# KiCad board ips20.kicad_pcb
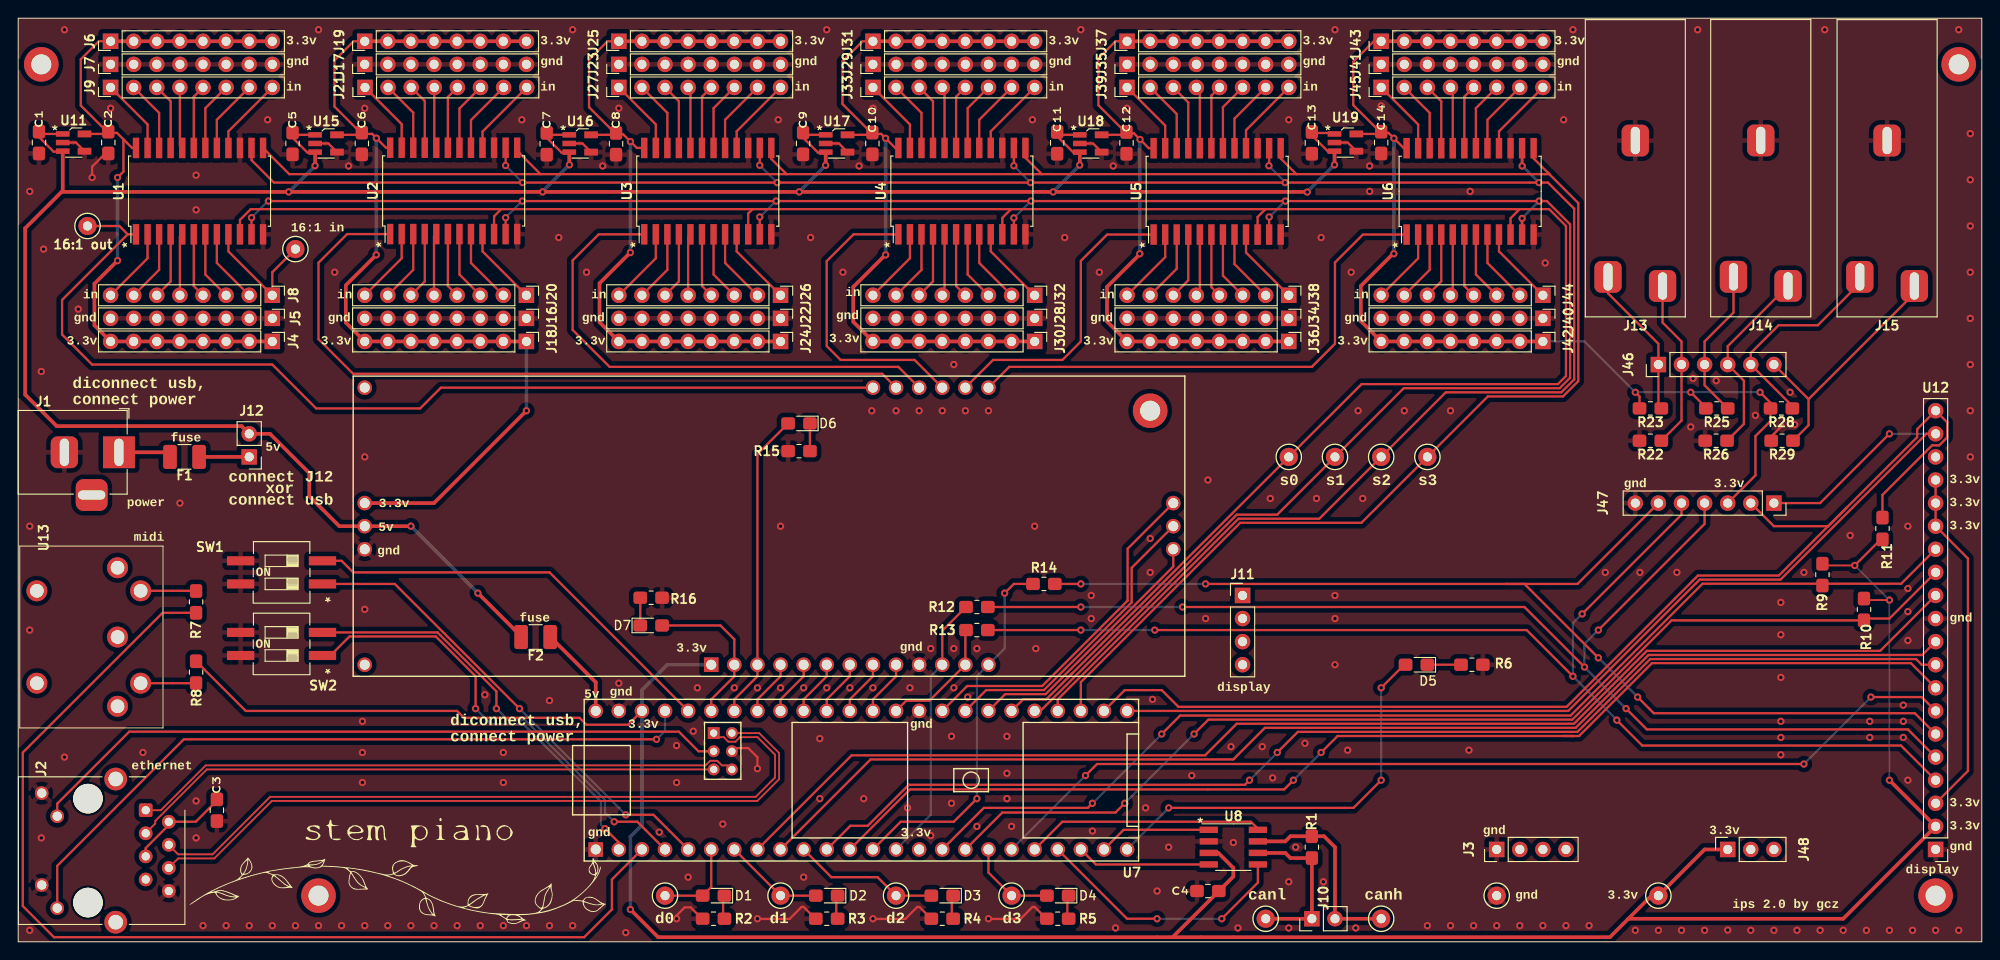
[diagram p0: board, top side]
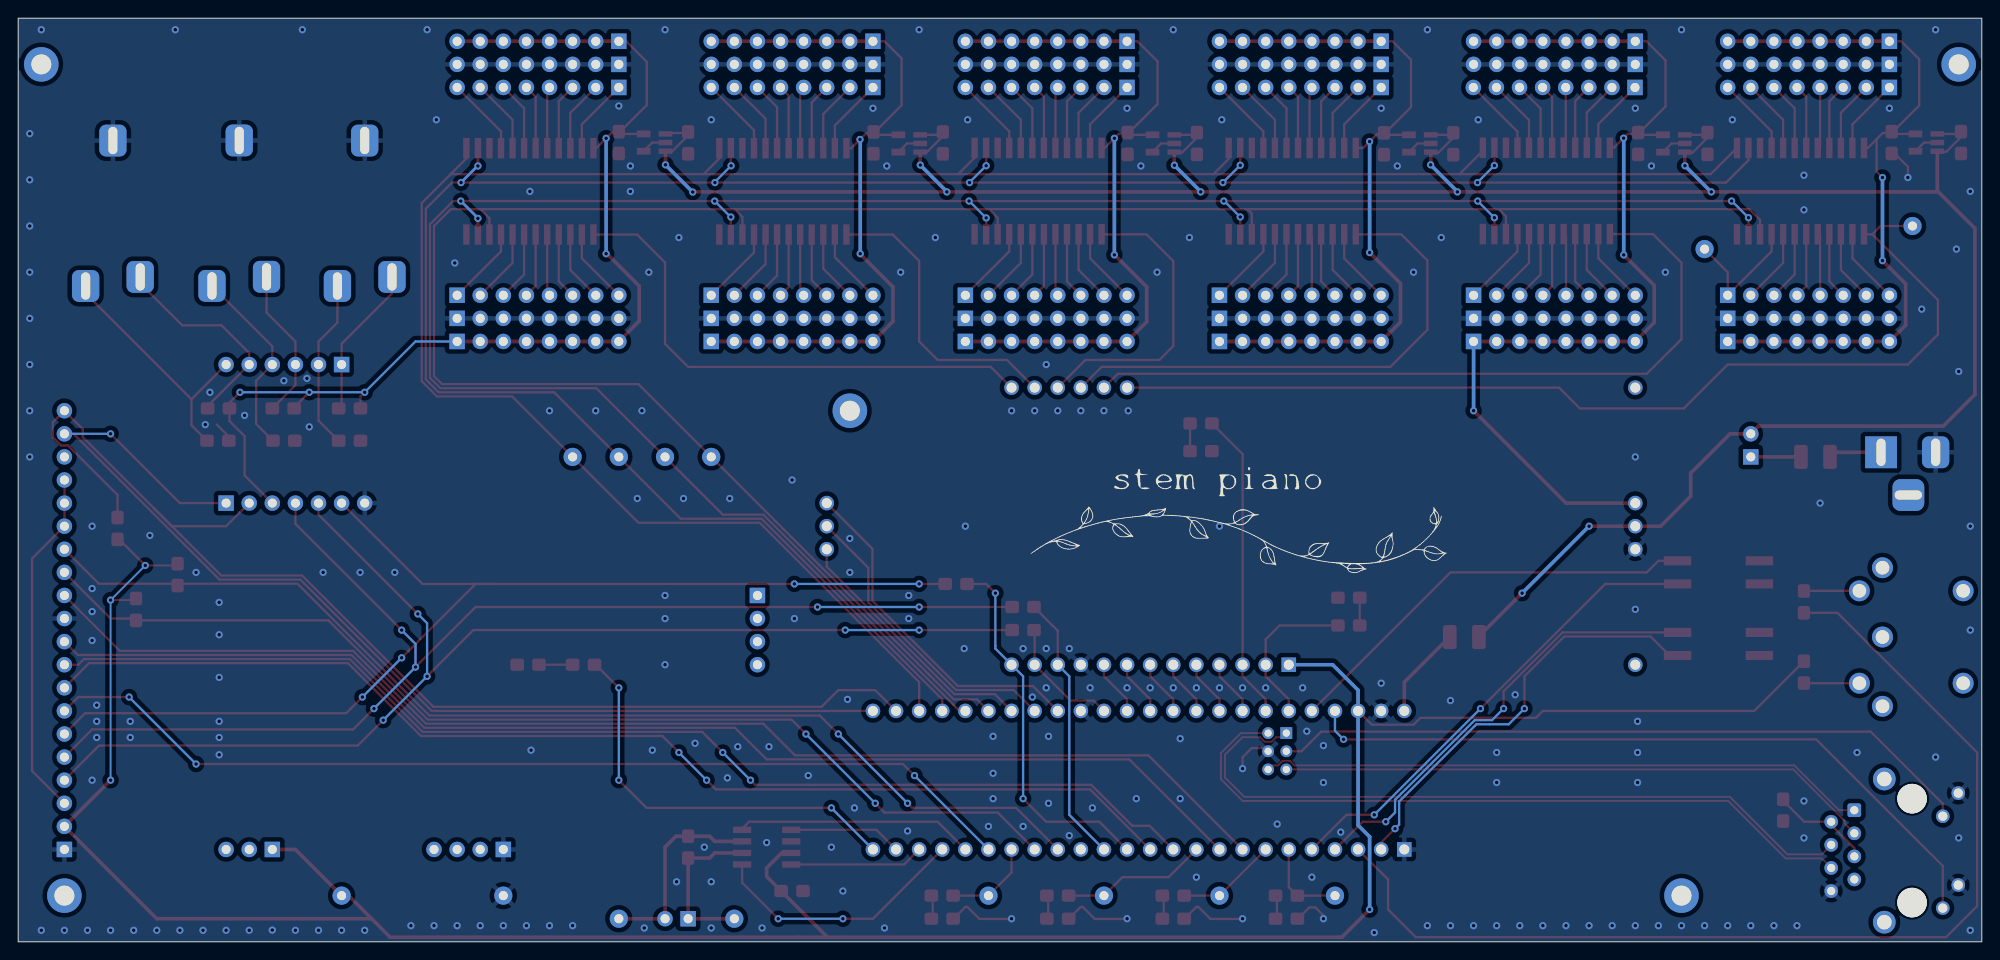
[diagram p1: board, bottom side, seen from below]

Outline 215.9 x 101.6 mm; copper layers: Top, Bottom. Coordinates in mm from the lower left corner of the outline.
Outline path: rectangle 0,101.6 215.9,0
Stack: Top 0.035mm / dielectric 1.51mm FR4 er 4.5 / Bottom 0.035mm

## Placement (name value [footprint] x y rotation side)
C1  1uF  [C_0805_2012_1.18x1.45mm_medpad]  2.29 87.92 270 top
C2  1uF  [C_0805_2012_1.18x1.45mm_medpad]  9.91 87.92 270 top
C3  0.1uF  [C_0805_2012_1.18x1.45mm_medpad]  21.84 14.48 270 top
C4  1uF  [C_0805_2012_1.18x1.45mm_medpad]  130.81 5.59 180 top
C5  1uF  [C_0805_2012_1.18x1.45mm_medpad]  30.16 87.82 270 top
C6  1uF  [C_0805_2012_1.18x1.45mm_medpad]  37.78 87.82 270 top
C7  1uF  [C_0805_2012_1.18x1.45mm_medpad]  58.11 87.79 270 top
C8  1uF  [C_0805_2012_1.18x1.45mm_medpad]  65.73 87.79 270 top
C9  1uF  [C_0805_2012_1.18x1.45mm_medpad]  86.3 87.82 270 top
C10  1uF  [C_0805_2012_1.18x1.45mm_medpad]  93.92 87.82 270 top
C11  1uF  [C_0805_2012_1.18x1.45mm_medpad]  114.24 87.88 270 top
C12  1uF  [C_0805_2012_1.18x1.45mm_medpad]  121.86 87.88 270 top
C13  1uF  [C_0805_2012_1.18x1.45mm_medpad]  142.24 87.88 270 top
C14  1uF  [C_0805_2012_1.18x1.45mm_medpad]  149.86 87.92 270 top
D1  LED  [LED_0805_2012_1.18x1.45mm_medpad2]  76.45 5.08 180 top
D2  LED  [LED_0805_2012_1.18x1.45mm_medpad2]  88.9 5.08 180 top
D3  LED  [LED_0805_2012_1.18x1.45mm_medpad2]  101.6 5.08 180 top
D4  LED  [LED_0805_2012_1.18x1.45mm_medpad2]  114.3 5.08 180 top
D5  LED  [LED_0805_2012_1.18x1.45mm_medpad2]  153.74 30.48 180 top
D6  LED  [LED_0805_2012_1.18x1.45mm_medpad2]  85.85 57.02 180 top
D7  LED  [LED_0805_2012_1.18x1.45mm_medpad2]  69.6 34.8 0 top
F1  Fuse  [fp1210_3225_1.30x2.65mm_medpad]  18.29 53.34 0 top
F2  Fuse  [fp1210_3225_1.30x2.65mm_medpad]  56.9 33.53 0 top
G***  LOGO  [stem_name_1inch]  43.18 11.94 0 top
G***#2  LOGO  [stem_branch_2inch]  41.4 5.59 0 top
G***#3  LOGO  [stem_name_1inch]  83.82 50.55 180 bottom
G***#4  LOGO  [stem_branch_2inch]  82.04 44.2 180 bottom
H1  MountingHole  [MountingHole_2.2mm_M2_DIN965_Pad_TopBottom]  2.54 96.52 0 top
H2  MountingHole  [MountingHole_2.2mm_M2_DIN965_Pad_TopBottom]  33.02 5.08 0 top
H3  MountingHole  [MountingHole_2.2mm_M2_DIN965_Pad_TopBottom]  210.82 5.08 0 top
H4  MountingHole  [MountingHole_2.2mm_M2_DIN965_Pad_TopBottom]  213.36 96.52 0 top
H5  MountingHole  [MountingHole_2.2mm_M2_DIN965_Pad_TopBottom]  124.46 58.42 0 top
J1  BarrelJack5V  [BarrelJack_Horizontal_correct_edge]  11.08 53.85 0 top
J2  Cetus_J1B1211CCD  [RJ45_Cetus_J1B1211CCD_correct_edge]  14.02 14.48 270 top
J3  Conn_01x04_Pin  [PinHeader_1x04_P2.54mm_Vertical]  162.56 10.16 90 top
J4  Conn_01x08_Pin  [PinHeader_1x08_P2.54mm_Vertical_smallcourtyard]  27.94 66.04 270 top
J5  Conn_01x08_Pin  [PinHeader_1x08_P2.54mm_Vertical_smallcourtyard]  27.94 68.58 270 top
J6  Conn_01x08_Pin  [PinHeader_1x08_P2.54mm_Vertical_smallcourtyard]  10.16 99.06 90 top
J7  Conn_01x08_Pin  [PinHeader_1x08_P2.54mm_Vertical_smallcourtyard]  10.16 96.52 90 top
J8  Conn_01x08_Pin  [PinHeader_1x08_P2.54mm_Vertical_smallcourtyard]  27.94 71.12 270 top
J9  Conn_01x08_Pin  [PinHeader_1x08_P2.54mm_Vertical_smallcourtyard]  10.16 93.98 90 top
J10  Conn_01x02_Pin  [PinHeader_1x02_P2.54mm_Vertical]  142.24 2.54 90 top
J11  Conn_01x04_Pin  [PinHeader_1x04_P2.54mm_Vertical]  134.62 38.1 0 top
J12  Conn_01x02_Power  [PinHeader_1x02_P2.54mm_Vertical]  25.4 53.34 180 top
J13  AudioJack2_SwitchT  [uxcell_audio_quarter_inch]  177.8 88.14 0 top
J14  AudioJack2_SwitchT  [uxcell_audio_quarter_inch]  191.59 88.15 0 top
J15  AudioJack2_SwitchT  [uxcell_audio_quarter_inch]  205.49 88.14 0 top
J16  Conn_01x08_Pin  [PinHeader_1x08_P2.54mm_Vertical_smallcourtyard]  55.88 68.58 270 top
J17  Conn_01x08_Pin  [PinHeader_1x08_P2.54mm_Vertical_smallcourtyard]  38.1 96.52 90 top
J18  Conn_01x08_Pin  [PinHeader_1x08_P2.54mm_Vertical_smallcourtyard]  55.88 66.04 270 top
J19  Conn_01x08_Pin  [PinHeader_1x08_P2.54mm_Vertical_smallcourtyard]  38.1 99.06 90 top
J20  Conn_01x08_Pin  [PinHeader_1x08_P2.54mm_Vertical_smallcourtyard]  55.88 71.12 270 top
J21  Conn_01x08_Pin  [PinHeader_1x08_P2.54mm_Vertical_smallcourtyard]  38.13 93.98 90 top
J22  Conn_01x08_Pin  [PinHeader_1x08_P2.54mm_Vertical_smallcourtyard]  83.82 68.58 270 top
J23  Conn_01x08_Pin  [PinHeader_1x08_P2.54mm_Vertical_smallcourtyard]  66.04 96.52 90 top
J24  Conn_01x08_Pin  [PinHeader_1x08_P2.54mm_Vertical_smallcourtyard]  83.82 66.04 270 top
J25  Conn_01x08_Pin  [PinHeader_1x08_P2.54mm_Vertical_smallcourtyard]  66.04 99.06 90 top
J26  Conn_01x08_Pin  [PinHeader_1x08_P2.54mm_Vertical_smallcourtyard]  83.82 71.12 270 top
J27  Conn_01x08_Pin  [PinHeader_1x08_P2.54mm_Vertical_smallcourtyard]  66.04 93.98 90 top
J28  Conn_01x08_Pin  [PinHeader_1x08_P2.54mm_Vertical_smallcourtyard]  111.76 68.58 270 top
J29  Conn_01x08_Pin  [PinHeader_1x08_P2.54mm_Vertical_smallcourtyard]  93.98 96.52 90 top
J30  Conn_01x08_Pin  [PinHeader_1x08_P2.54mm_Vertical_smallcourtyard]  111.76 66.04 270 top
J31  Conn_01x08_Pin  [PinHeader_1x08_P2.54mm_Vertical_smallcourtyard]  93.98 99.06 90 top
J32  Conn_01x08_Pin  [PinHeader_1x08_P2.54mm_Vertical_smallcourtyard]  111.76 71.12 270 top
J33  Conn_01x08_Pin  [PinHeader_1x08_P2.54mm_Vertical_smallcourtyard]  93.98 93.98 90 top
J34  Conn_01x08_Pin  [PinHeader_1x08_P2.54mm_Vertical_smallcourtyard]  139.7 68.58 270 top
J35  Conn_01x08_Pin  [PinHeader_1x08_P2.54mm_Vertical_smallcourtyard]  121.92 96.52 90 top
J36  Conn_01x08_Pin  [PinHeader_1x08_P2.54mm_Vertical_smallcourtyard]  139.7 66.04 270 top
J37  Conn_01x08_Pin  [PinHeader_1x08_P2.54mm_Vertical_smallcourtyard]  121.92 99.06 90 top
J38  Conn_01x08_Pin  [PinHeader_1x08_P2.54mm_Vertical_smallcourtyard]  139.7 71.12 270 top
J39  Conn_01x08_Pin  [PinHeader_1x08_P2.54mm_Vertical_smallcourtyard]  121.92 93.98 90 top
J40  Conn_01x08_Pin  [PinHeader_1x08_P2.54mm_Vertical_smallcourtyard]  167.64 68.58 270 top
J41  Conn_01x08_Pin  [PinHeader_1x08_P2.54mm_Vertical_smallcourtyard]  149.86 96.52 90 top
J42  Conn_01x08_Pin  [PinHeader_1x08_P2.54mm_Vertical_smallcourtyard]  167.64 66.04 270 top
J43  Conn_01x08_Pin  [PinHeader_1x08_P2.54mm_Vertical_smallcourtyard]  149.86 99.06 90 top
J44  Conn_01x08_Pin  [PinHeader_1x08_P2.54mm_Vertical_smallcourtyard]  167.64 71.12 270 top
J45  Conn_01x08_Pin  [PinHeader_1x08_P2.54mm_Vertical_smallcourtyard]  149.86 93.98 90 top
J46  Conn_01x06_Pin  [PinHeader_1x06_P2.54mm_Vertical]  180.34 63.5 90 top
J47  Conn_01x07_Pin  [PinSocket_1x07_P2.54mm_Vertical]  193.04 48.26 270 top
J48  Conn_01x03_Pin  [PinSocket_1x03_P2.54mm_Vertical]  187.96 10.16 90 top
R1  120  [R_0805_2012_1.20x1.40mm_medpad]  142.24 10.41 270 top
R2  7500  [R_0805_2012_1.20x1.40mm_medpad]  76.45 2.54 180 top
R3  7500  [R_0805_2012_1.20x1.40mm_medpad]  88.9 2.54 180 top
R4  7500  [R_0805_2012_1.20x1.40mm_medpad]  101.6 2.54 180 top
R5  7500  [R_0805_2012_1.20x1.40mm_medpad]  114.3 2.54 180 top
R6  7500  [R_0805_2012_1.20x1.40mm_medpad]  159.84 30.48 0 top
R7  47  [R_0805_2012_1.20x1.40mm_medpad]  19.56 37.39 90 top
R8  47  [R_0805_2012_1.20x1.40mm_medpad]  19.56 29.66 270 top
R9  100K  [R_0805_2012_1.20x1.40mm_medpad]  198.37 40.39 270 top
R10  100K  [R_0805_2012_1.20x1.40mm_medpad]  202.95 36.56 270 top
R11  100K  [R_0805_2012_1.20x1.40mm_medpad]  204.98 45.47 90 top
R12  0  [R_0805_2012_1.20x1.40mm_medpad]  105.41 36.83 0 top
R13  0  [R_0805_2012_1.20x1.40mm_medpad]  105.41 34.29 0 top
R14  0  [R_0805_2012_1.20x1.40mm_medpad]  112.78 39.37 0 top
R15  7500  [R_0805_2012_1.20x1.40mm_medpad]  85.85 53.98 180 top
R16  7500  [R_0805_2012_1.20x1.40mm_medpad]  69.6 37.85 0 top
R22  10000  [R_0805_2012_1.20x1.40mm_medpad]  179.46 55.12 180 top
R23  4700  [R_0805_2012_1.20x1.40mm_medpad]  179.46 58.67 180 top
R25  4700  [R_0805_2012_1.20x1.40mm_medpad]  186.76 58.67 180 top
R26  10000  [R_0805_2012_1.20x1.40mm_medpad]  186.69 55.12 180 top
R28  4700  [R_0805_2012_1.20x1.40mm_medpad]  193.87 58.67 180 top
R29  10000  [R_0805_2012_1.20x1.40mm_medpad]  193.94 55.12 180 top
SW1  SW_DIP_x02  [SW_DIP_SPSTx02_Slide_medpad]  28.96 40.64 180 top
SW2  SW_DIP_x02  [SW_DIP_SPSTx02_Slide_medpad]  28.96 32.77 180 top
TP5  16:1 out  [TestPoint_Keystone_5000-5004_Miniature]  7.62 78.74 0 top
TP6  canh  [TestPoint_Keystone_5000-5004_Miniature]  149.86 2.54 0 top
TP7  canl  [TestPoint_Keystone_5000-5004_Miniature]  137.16 2.54 0 top
TP8  d1  [TestPoint_Keystone_5000-5004_Miniature]  71.12 5.08 0 top
TP9  d2  [TestPoint_Keystone_5000-5004_Miniature]  83.82 5.08 0 top
TP10  d3  [TestPoint_Keystone_5000-5004_Miniature]  96.52 5.08 0 top
TP11  d4  [TestPoint_Keystone_5000-5004_Miniature]  109.22 5.08 0 top
TP12  s0  [TestPoint_Keystone_5000-5004_Miniature]  139.7 53.34 0 top
TP13  s1  [TestPoint_Keystone_5000-5004_Miniature]  144.78 53.34 0 top
TP14  s2  [TestPoint_Keystone_5000-5004_Miniature]  149.86 53.34 0 top
TP15  s3  [TestPoint_Keystone_5000-5004_Miniature]  154.94 53.34 0 top
TP19  u1_i0  [TestPoint_Keystone_5000-5004_Miniature]  30.48 76.2 90 top
TP21  gnd  [TestPoint_Keystone_5000-5004_Miniature]  162.56 5.08 0 top
TP22  V3.3  [TestPoint_Keystone_5000-5004_Miniature]  180.34 5.08 0 top
U1  CD74HC4067  [SOIC-24_7.5x15.4mm_P1.27mm_medpad]  19.94 82.58 90 top
U2  CD74HC4067  [SOIC-24_7.5x15.4mm_P1.27mm_medpad]  47.88 82.6 90 top
U3  CD74HC4067  [SOIC-24_7.5x15.4mm_P1.27mm_medpad]  75.82 82.58 90 top
U4  CD74HC4067  [SOIC-24_7.5x15.4mm_P1.27mm_medpad]  103.76 82.58 90 top
U5  CD74HC4067  [SOIC-24_7.5x15.4mm_P1.27mm_medpad]  131.83 82.55 90 top
U6  CD74HC4067  [SOIC-24_7.5x15.4mm_P1.27mm_medpad]  159.64 82.55 90 top
U7  Teensy4.1_all_pins  [Teensy41_ringpads]  92.71 17.78 0 top
U8  TCAN330G  [SOIC-8_3.9x4.9mm_P1.27mm_medpad]  133.6 10.41 0 top
U9  Teensy 4.1  [sca00_board]  83.82 43.18 0 top
U11  LDO  [SOT-23-5_medpad]  6.1 87.92 0 top
U12  Adafruit_28_CTouch_TFT  [PinHeader_1x20_P2.54mm_Vertical]  210.82 10.16 180 top
U13  midi_female  [midi_rightangle_female]  10.92 33.53 90 top
U15  LDO  [SOT-23-5_medpad]  33.85 87.82 0 top
U16  LDO  [SOT-23-5_medpad]  61.79 87.82 0 top
U17  LDO  [SOT-23-5_medpad]  89.99 87.82 0 top
U18  LDO  [SOT-23-5_medpad]  117.93 87.82 0 top
U19  LDO  [SOT-23-5_medpad]  145.93 87.92 0 top

## Library data of the parts
C1-C14 = -: Description: Unpolarized capacitor
D1-D7 = -: Description: Light emitting diode
H1-H5 = -: Description: Mounting Hole without connection
J2 = -: Description: 1 Port RJ45 Magjack Connector Through Hole 10/100 Base-T, AutoMDIX
J3 J11 = -: Description: Generic connector, single row, 01x04, script generated
J4-J9 J16-J45 = -: Description: Generic connector, single row, 01x08, script generated
J10 = -: Description: Generic connector, single row, 01x02, script generated
J12 = -: Description: Generic connector, single row, 01x02, script generated (kicad-library-utils/schlib/autogen/connector/)
J13-J15 = -: Description: Audio Jack, 2 Poles (Mono / TS), Switched T Pole (Normalling)
J46 = -: Description: Generic connector, single row, 01x06, script generated
J47 = -: Description: Generic connector, single row, 01x07, script generated
J48 = -: Description: Generic connector, single row, 01x03, script generated
R1-R16 R22 R23 R25 R26 R28 R29 = -: Description: Resistor
SW1 = -: Description: 2x DIP Switch, Single Pole Single Throw (SPST) switch, small symbol; Field5: on
SW2 = -: Description: 2x DIP Switch, Single Pole Single Throw (SPST) switch, small symbol; Field4: on
TP5-TP15 TP19 TP21 TP22 = -: Description: test point
U1-U6 = -: Description: Differential 16-to-1 Multiplexer, SOIC-24
U7 = -: Field4: Ethernet; Field5: MIMXRT1062; Field6: DVJ6B; Field7: Micro SD; Field8: USB
U8 = -: Description: CAN Bus Transceiver, 3.3V, 1Mbps, Loopback feature, SOIC-8
U9 = -: Description: Op Amp; Field4: USB; Field5: MIMXRT1062; Field6: Micro SD; Field7: DVJ6B
U12 = -: Description: Adafruit 2.8" Color TFT Capacitive Touchscreen
U13 = -: Description: Line Driver

## Footprints (pads in the part's own frame, mm; a bottom-side part is the same pattern mirrored in y, then rotated)
BarrelJack_Horizontal_correct_edge
  rect 3.5x3.5 hole 1x3: 1(0,0)
  rrect 3x3.5 hole 1x3: 2(-6,0)
  rrect 3.5x3.5 hole 3x1: 3(-3,-4.7)
C_0805_2012_1.18x1.45mm_medpad
  rrect 1.5x1.35 smd: 1(-1.2,0) 2(1.2,0)
fp1210_3225_1.30x2.65mm_medpad
  rrect 1.5x2.65 smd: 1(-1.6,0) 2(1.6,0)
LED_0805_2012_1.18x1.45mm_medpad2
  rrect 1.5x1.35 smd: 1(-1.2,0) 2(1.2,0)
midi_rightangle_female
  round 2.3 hole 1.5: (-5.08,8.87) (5.08,8.87) 1(-7.62,0) 2(0,0) 3(7.62,0) 4(-5.08,-2.54) 5(5.08,-2.54)
MountingHole_2.2mm_M2_DIN965_Pad_TopBottom
  round 2.6 hole 2.2: 1(0,0)
  round 3.8 smd: 1(0,0)
  round 3.8 smd far side: 1(0,0)
PinHeader_1x02_P2.54mm_Vertical
  rect 1.7x1.7 hole 1: 1(0,0)
  oval 1.7x1.7 hole 1: 2(0,-2.54)
PinHeader_1x04_P2.54mm_Vertical
  rect 1.7x1.7 hole 1: 1(0,0)
  oval 1.7x1.7 hole 1: 2(0,-2.54) 3(0,-5.08) 4(0,-7.62)
PinHeader_1x06_P2.54mm_Vertical
  rect 1.7x1.7 hole 1: 1(0,0)
  oval 1.7x1.7 hole 1: 2(0,-2.54) 3(0,-5.08) 4(0,-7.62) 5(0,-10.16) 6(0,-12.7)
PinHeader_1x08_P2.54mm_Vertical_smallcourtyard
  rect 1.7x1.7 hole 1: 1(0,0)
  oval 1.7x1.7 hole 1: 2(0,-2.54) 3(0,-5.08) 4(0,-7.62) 5(0,-10.16) 6(0,-12.7) 7(0,-15.24) 8(0,-17.78)
PinHeader_1x20_P2.54mm_Vertical
  rect 1.7x1.7 hole 1: 1(0,0)
  oval 1.7x1.7 hole 1: 2(0,-2.54) 3(0,-5.08) 4(0,-7.62) 5(0,-10.16) 6(0,-12.7) 7(0,-15.24) 8(0,-17.78) 9(0,-20.32) 10(0,-22.86) 11(0,-25.4) 12(0,-27.94) 13(0,-30.48) 14(0,-33.02) 15(0,-35.56) 16(0,-38.1) 17(0,-40.64) 18(0,-43.18) 19(0,-45.72) 20(0,-48.26)
PinSocket_1x03_P2.54mm_Vertical
  rect 1.7x1.7 hole 1: 1(0,0)
  oval 1.7x1.7 hole 1: 2(0,-2.54) 3(0,-5.08)
PinSocket_1x07_P2.54mm_Vertical
  rect 1.7x1.7 hole 1: 1(0,0)
  oval 1.7x1.7 hole 1: 2(0,-2.54) 3(0,-5.08) 4(0,-7.62) 5(0,-10.16) 6(0,-12.7) 7(0,-15.24)
R_0805_2012_1.20x1.40mm_medpad
  rrect 1.5x1.35 smd: 1(-1.2,0) 2(1.2,0)
RJ45_Cetus_J1B1211CCD_correct_edge
  round 3.25 hole 3.25 unplated: (-1.27,-6.35) (10.16,-6.35)
  rrect 1.5x1.5 hole 0.9: 1(0,0)
  round 1.5 hole 0.9: 2(1.27,2.54) 3(2.54,0) 4(3.81,2.54) 5(5.08,0) 6(6.35,2.54) 7(7.62,0) 8(8.89,2.54)
  round 1.5 hole 1.02: 9(-1.88,-11.43) 10(0.66,-9.73) 11(8.23,-11.43) 12(10.77,-9.73)
  round 2.5 hole 1.6: 13(-3.43,-3.3) 13(12.32,-3.3)
sca00_board
  rect 1.6x1.6 hole 1.1: 1(-7.62,-12.7)
  round 1.6 hole 1.1: 2(-5.08,-12.7) 3(-2.54,-12.7) 4(0,-12.7) 5(2.54,-12.7) 6(5.08,-12.7) 7(7.62,-12.7) 8(10.16,-12.7) 9(12.7,-12.7) 10(15.24,-12.7) 11(17.78,-12.7) 12(20.32,-12.7) 13(22.86,-12.7) 14(43.18,0) 15(43.18,2.54) 16(43.18,5.08) 17(22.86,17.78) 18(20.32,17.78) 19(17.78,17.78) 20(15.24,17.78) 21(12.7,17.78) 22(10.16,17.78) 23(-45.72,17.78) 24(-45.72,5.08) 25(-45.72,2.54) 26(-45.72,0) 27(-45.72,-12.7)
SOIC-8_3.9x4.9mm_P1.27mm_medpad
  rect 2x0.7 smd: 1(-2.7,1.905) 2(-2.7,0.635) 3(-2.7,-0.635) 4(-2.7,-1.905) 5(2.7,-1.905) 6(2.7,-0.635) 7(2.7,0.635) 8(2.7,1.905)
SOIC-24_7.5x15.4mm_P1.27mm_medpad
  rect 2.25x0.7 smd: 1(-4.75,6.985) 2(-4.75,5.715) 3(-4.75,4.445) 4(-4.75,3.175) 5(-4.75,1.905) 6(-4.75,0.635) 7(-4.75,-0.635) 8(-4.75,-1.905) 9(-4.75,-3.175) 10(-4.75,-4.445) 11(-4.75,-5.715) 12(-4.75,-6.985) 13(4.75,-6.985) 14(4.75,-5.715) 15(4.75,-4.445) 16(4.75,-3.175) 17(4.75,-1.905) 18(4.75,-0.635) 19(4.75,0.635) 20(4.75,1.905) 21(4.75,3.175) 22(4.75,4.445) 23(4.75,5.715) 24(4.75,6.985)
SOT-23-5_medpad
  rect 1.5x0.6 smd: 1(-1.2,0.95) 2(-1.2,0) 3(-1.2,-0.95)
  rect 1.5x0.75 smd: 4(1.2,-0.95) 5(1.2,0.95)
SW_DIP_SPSTx02_Slide_medpad
  rect 3x1 smd: 1(-4.5,1.27) 2(-4.5,-1.27) 3(4.5,-1.27) 4(4.5,1.27)
Teensy41_ringpads
  rect 1.6x1.6 hole 1.1: 1(-29.21,-7.62)
  round 1.6 hole 1.1: 2(-26.67,-7.62) 3(-24.13,-7.62) 4(-21.59,-7.62) 5(-19.05,-7.62) 6(-16.51,-7.62) 7(-13.97,-7.62) 8(-11.43,-7.62) 9(-8.89,-7.62) 10(-6.35,-7.62) 11(-3.81,-7.62) 12(-1.27,-7.62) 13(1.27,-7.62) 14(3.81,-7.62) 15(6.35,-7.62) 16(8.89,-7.62) 17(11.43,-7.62) 18(13.97,-7.62) 19(16.51,-7.62) 20(19.05,-7.62) 21(21.59,-7.62) 22(24.13,-7.62) 23(26.67,-7.62) 24(29.21,-7.62) 31(29.21,7.62) 32(26.67,7.62) 33(24.13,7.62) 34(21.59,7.62) 35(19.05,7.62) 36(16.51,7.62) 37(13.97,7.62) 38(11.43,7.62) 39(8.89,7.62) 40(6.35,7.62) 41(3.81,7.62) 42(1.27,7.62) 43(-1.27,7.62) 44(-3.81,7.62) 45(-6.35,7.62) 46(-8.89,7.62) 47(-11.43,7.62) 48(-13.97,7.62) 49(-16.51,7.62) 50(-19.05,7.62) 51(-21.59,7.62) 52(-24.13,7.62) 53(-26.67,7.62) 54(-29.21,7.62)
  round 1.3 hole 0.8: 25(-14.24,5.182) 27(-16.24,3.182) 28(-14.24,3.182) 29(-16.24,1.182) 30(-14.24,1.182)
  rect 1.3x1.3 hole 0.8: 26(-16.24,5.182)
TestPoint_Keystone_5000-5004_Miniature
  round 2 hole 1: 1(0,0)
uxcell_audio_quarter_inch
  rrect 3x3.5 hole 1x3: S(0,0) T(-3,-15) TN(3,-16)

## Nets
+5V: C1.1 C5.1 C7.1 C9.1 C11.1 C13.1 F2.1 J12.2 U9.25 U11.1 U11.3 U15.1 U15.3 U16.1 U16.3 U17.1 U17.3 U18.1 U18.3 U19.1 U19.3
GND: C1.2 C2.2 C3.2 C4.2 C5.2 C6.2 C7.2 C8.2 C9.2 C10.2 C11.2 C12.2 C13.2 C14.2 J1.2 J2.8 J2.9 J2.11 J3.1 J5.1 J5.2 J5.3 J5.4 J5.5 J5.6 J5.7 J5.8 J7.1 J7.2 J7.3 J7.4 J7.5 J7.6 J7.7 J7.8 J13.S J14.S J15.S J16.1 J16.2 J16.3 J16.4 J16.5 J16.6 J16.7 J16.8 J17.1 J17.2 J17.3 J17.4 J17.5 J17.6 J17.7 J17.8 J22.1 J22.2 J22.3 J22.4 J22.5 J22.6 J22.7 J22.8 J23.1 J23.2 J23.3 J23.4 J23.5 J23.6 J23.7 J23.8 J28.1 J28.2 J28.3 J28.4 J28.5 J28.6 J28.7 J28.8 J29.1 J29.2 J29.3 J29.4 J29.5 J29.6 J29.7 J29.8 J34.1 J34.2 J34.3 J34.4 J34.5 J34.6 J34.7 J34.8 J35.1 J35.2 J35.3 J35.4 J35.5 J35.6 J35.7 J35.8 J40.1 J40.2 J40.3 J40.4 J40.5 J40.6 J40.7 J40.8 J41.1 J41.2 J41.3 J41.4 J41.5 J41.6 J41.7 J41.8 J47.7 R2.2 R3.2 R4.2 R5.2 R6.2 R15.2 R16.2 R22.2 R26.2 R29.2 SW1.3 SW1.4 SW2.3 SW2.4 TP21.1 U1.12 U1.15 U2.12 U2.15 U3.12 U3.15 U4.12 U4.15 U5.12 U5.15 U6.12 U6.15 U7.1 U7.28 U7.40 U7.53 U8.2 U9.10 U9.26 U11.2 U11.4 U12.1 U12.11 U15.2 U15.4 U16.2 U16.4 U17.2 U17.4 U18.2 U18.4 U19.2 U19.4
/RD+: J2.4 U7.26
/RD-: J2.6 U7.25
/TD+: J2.1 U7.30
/TD-: J2.3 U7.29
Net-(D1-A): D1.2 TP8.1 U7.6
Net-(D1-K): D1.1 R2.1
Net-(D2-A): D2.2 TP9.1 U7.7
Net-(D2-K): D2.1 R3.1
Net-(D3-A): D3.2 TP10.1 U7.10
Net-(D3-K): D3.1 R4.1
Net-(D4-A): D4.2 TP11.1 U7.18
Net-(D4-K): D4.1 R5.1
Net-(D5-A): D5.2 U7.24
Net-(D5-K): D5.1 R6.1
Net-(D6-A): D6.2 U7.48 U9.3
Net-(D6-K): D6.1 R15.1
Net-(D7-A): D7.2 U7.49 U9.2
Net-(D7-K): D7.1 R16.1
Net-(J1-VOUT): F1.1 J1.1
Net-(J2-LEDG_A): J2.10 U7.27
Net-(J2-LEDY_A): J2.12 U7.51
Net-(J2-RCT): C3.1 J2.2 J2.5
Net-(J4-Pin_1): C2.1 J4.1 J4.2 J4.3 J4.4 J4.5 J4.6 J4.7 J4.8 J6.1 J6.2 J6.3 J6.4 J6.5 J6.6 J6.7 J6.8 U1.24 U11.5
Net-(J8-Pin_1): J8.1 TP19.1 U1.9
Net-(J8-Pin_2): J8.2 U1.8
Net-(J8-Pin_3): J8.3 U1.7
Net-(J8-Pin_4): J8.4 U1.6
Net-(J8-Pin_5): J8.5 U1.5
Net-(J8-Pin_6): J8.6 U1.4
Net-(J8-Pin_7): J8.7 U1.3
Net-(J8-Pin_8): J8.8 U1.2
Net-(J9-Pin_1): J9.1 U1.23
Net-(J9-Pin_2): J9.2 U1.22
Net-(J9-Pin_3): J9.3 U1.21
Net-(J9-Pin_4): J9.4 U1.20
Net-(J9-Pin_5): J9.5 U1.19
Net-(J9-Pin_6): J9.6 U1.18
Net-(J9-Pin_7): J9.7 U1.17
Net-(J9-Pin_8): J9.8 U1.16
Net-(J10-Pin_1): J10.1 R1.2 TP7.1 U8.6
Net-(J10-Pin_2): J10.2 R1.1 TP6.1 U8.7
Net-(J12-Pin_1): F1.2 J12.1
Net-(J18-Pin_1): C6.1 J18.1 J18.2 J18.3 J18.4 J18.5 J18.6 J18.7 J18.8 J19.1 J19.2 J19.3 J19.4 J19.5 J19.6 J19.7 J19.8 U2.24 U9.24 U15.5
Net-(J20-Pin_1): J20.1 U2.9
Net-(J20-Pin_2): J20.2 U2.8
Net-(J20-Pin_3): J20.3 U2.7
Net-(J20-Pin_4): J20.4 U2.6
Net-(J20-Pin_5): J20.5 U2.5
Net-(J20-Pin_6): J20.6 U2.4
Net-(J20-Pin_7): J20.7 U2.3
Net-(J20-Pin_8): J20.8 U2.2
Net-(J21-Pin_1): J21.1 U2.23
Net-(J21-Pin_2): J21.2 U2.22
Net-(J21-Pin_3): J21.3 U2.21
Net-(J21-Pin_4): J21.4 U2.20
Net-(J21-Pin_5): J21.5 U2.19
Net-(J21-Pin_6): J21.6 U2.18
Net-(J21-Pin_7): J21.7 U2.17
Net-(J21-Pin_8): J21.8 U2.16
Net-(J24-Pin_1): C8.1 J24.1 J24.2 J24.3 J24.4 J24.5 J24.6 J24.7 J24.8 J25.1 J25.2 J25.3 J25.4 J25.5 J25.6 J25.7 J25.8 U3.24 U16.5
Net-(J26-Pin_1): J26.1 U3.9
Net-(J26-Pin_2): J26.2 U3.8
Net-(J26-Pin_3): J26.3 U3.7
Net-(J26-Pin_4): J26.4 U3.6
Net-(J26-Pin_5): J26.5 U3.5
Net-(J26-Pin_6): J26.6 U3.4
Net-(J26-Pin_7): J26.7 U3.3
Net-(J26-Pin_8): J26.8 U3.2
Net-(J27-Pin_1): J27.1 U3.23
Net-(J27-Pin_2): J27.2 U3.22
Net-(J27-Pin_3): J27.3 U3.21
Net-(J27-Pin_4): J27.4 U3.20
Net-(J27-Pin_5): J27.5 U3.19
Net-(J27-Pin_6): J27.6 U3.18
Net-(J27-Pin_7): J27.7 U3.17
Net-(J27-Pin_8): J27.8 U3.16
Net-(J30-Pin_1): C10.1 J30.1 J30.2 J30.3 J30.4 J30.5 J30.6 J30.7 J30.8 J31.1 J31.2 J31.3 J31.4 J31.5 J31.6 J31.7 J31.8 U4.24 U17.5
Net-(J32-Pin_1): J32.1 U4.9
Net-(J32-Pin_2): J32.2 U4.8
Net-(J32-Pin_3): J32.3 U4.7
Net-(J32-Pin_4): J32.4 U4.6
Net-(J32-Pin_5): J32.5 U4.5
Net-(J32-Pin_6): J32.6 U4.4
Net-(J32-Pin_7): J32.7 U4.3
Net-(J32-Pin_8): J32.8 U4.2
Net-(J33-Pin_1): J33.1 U4.23
Net-(J33-Pin_2): J33.2 U4.22
Net-(J33-Pin_3): J33.3 U4.21
Net-(J33-Pin_4): J33.4 U4.20
Net-(J33-Pin_5): J33.5 U4.19
Net-(J33-Pin_6): J33.6 U4.18
Net-(J33-Pin_7): J33.7 U4.17
Net-(J33-Pin_8): J33.8 U4.16
Net-(J36-Pin_1): C12.1 J36.1 J36.2 J36.3 J36.4 J36.5 J36.6 J36.7 J36.8 J37.1 J37.2 J37.3 J37.4 J37.5 J37.6 J37.7 J37.8 U5.24 U18.5
Net-(J38-Pin_1): J38.1 U5.9
Net-(J38-Pin_2): J38.2 U5.8
Net-(J38-Pin_3): J38.3 U5.7
Net-(J38-Pin_4): J38.4 U5.6
Net-(J38-Pin_5): J38.5 U5.5
Net-(J38-Pin_6): J38.6 U5.4
Net-(J38-Pin_7): J38.7 U5.3
Net-(J38-Pin_8): J38.8 U5.2
Net-(J39-Pin_1): J39.1 U5.23
Net-(J39-Pin_2): J39.2 U5.22
Net-(J39-Pin_3): J39.3 U5.21
Net-(J39-Pin_4): J39.4 U5.20
Net-(J39-Pin_5): J39.5 U5.19
Net-(J39-Pin_6): J39.6 U5.18
Net-(J39-Pin_7): J39.7 U5.17
Net-(J39-Pin_8): J39.8 U5.16
Net-(J42-Pin_1): C14.1 J42.1 J42.2 J42.3 J42.4 J42.5 J42.6 J42.7 J42.8 J43.1 J43.2 J43.3 J43.4 J43.5 J43.6 J43.7 J43.8 J47.3 R23.2 R25.2 R28.2 U6.24 U19.5
Net-(J44-Pin_1): J44.1 U6.9
Net-(J44-Pin_2): J44.2 U6.8